# Allegro board BeagleBoard-X15_RevA2.brd (continued)
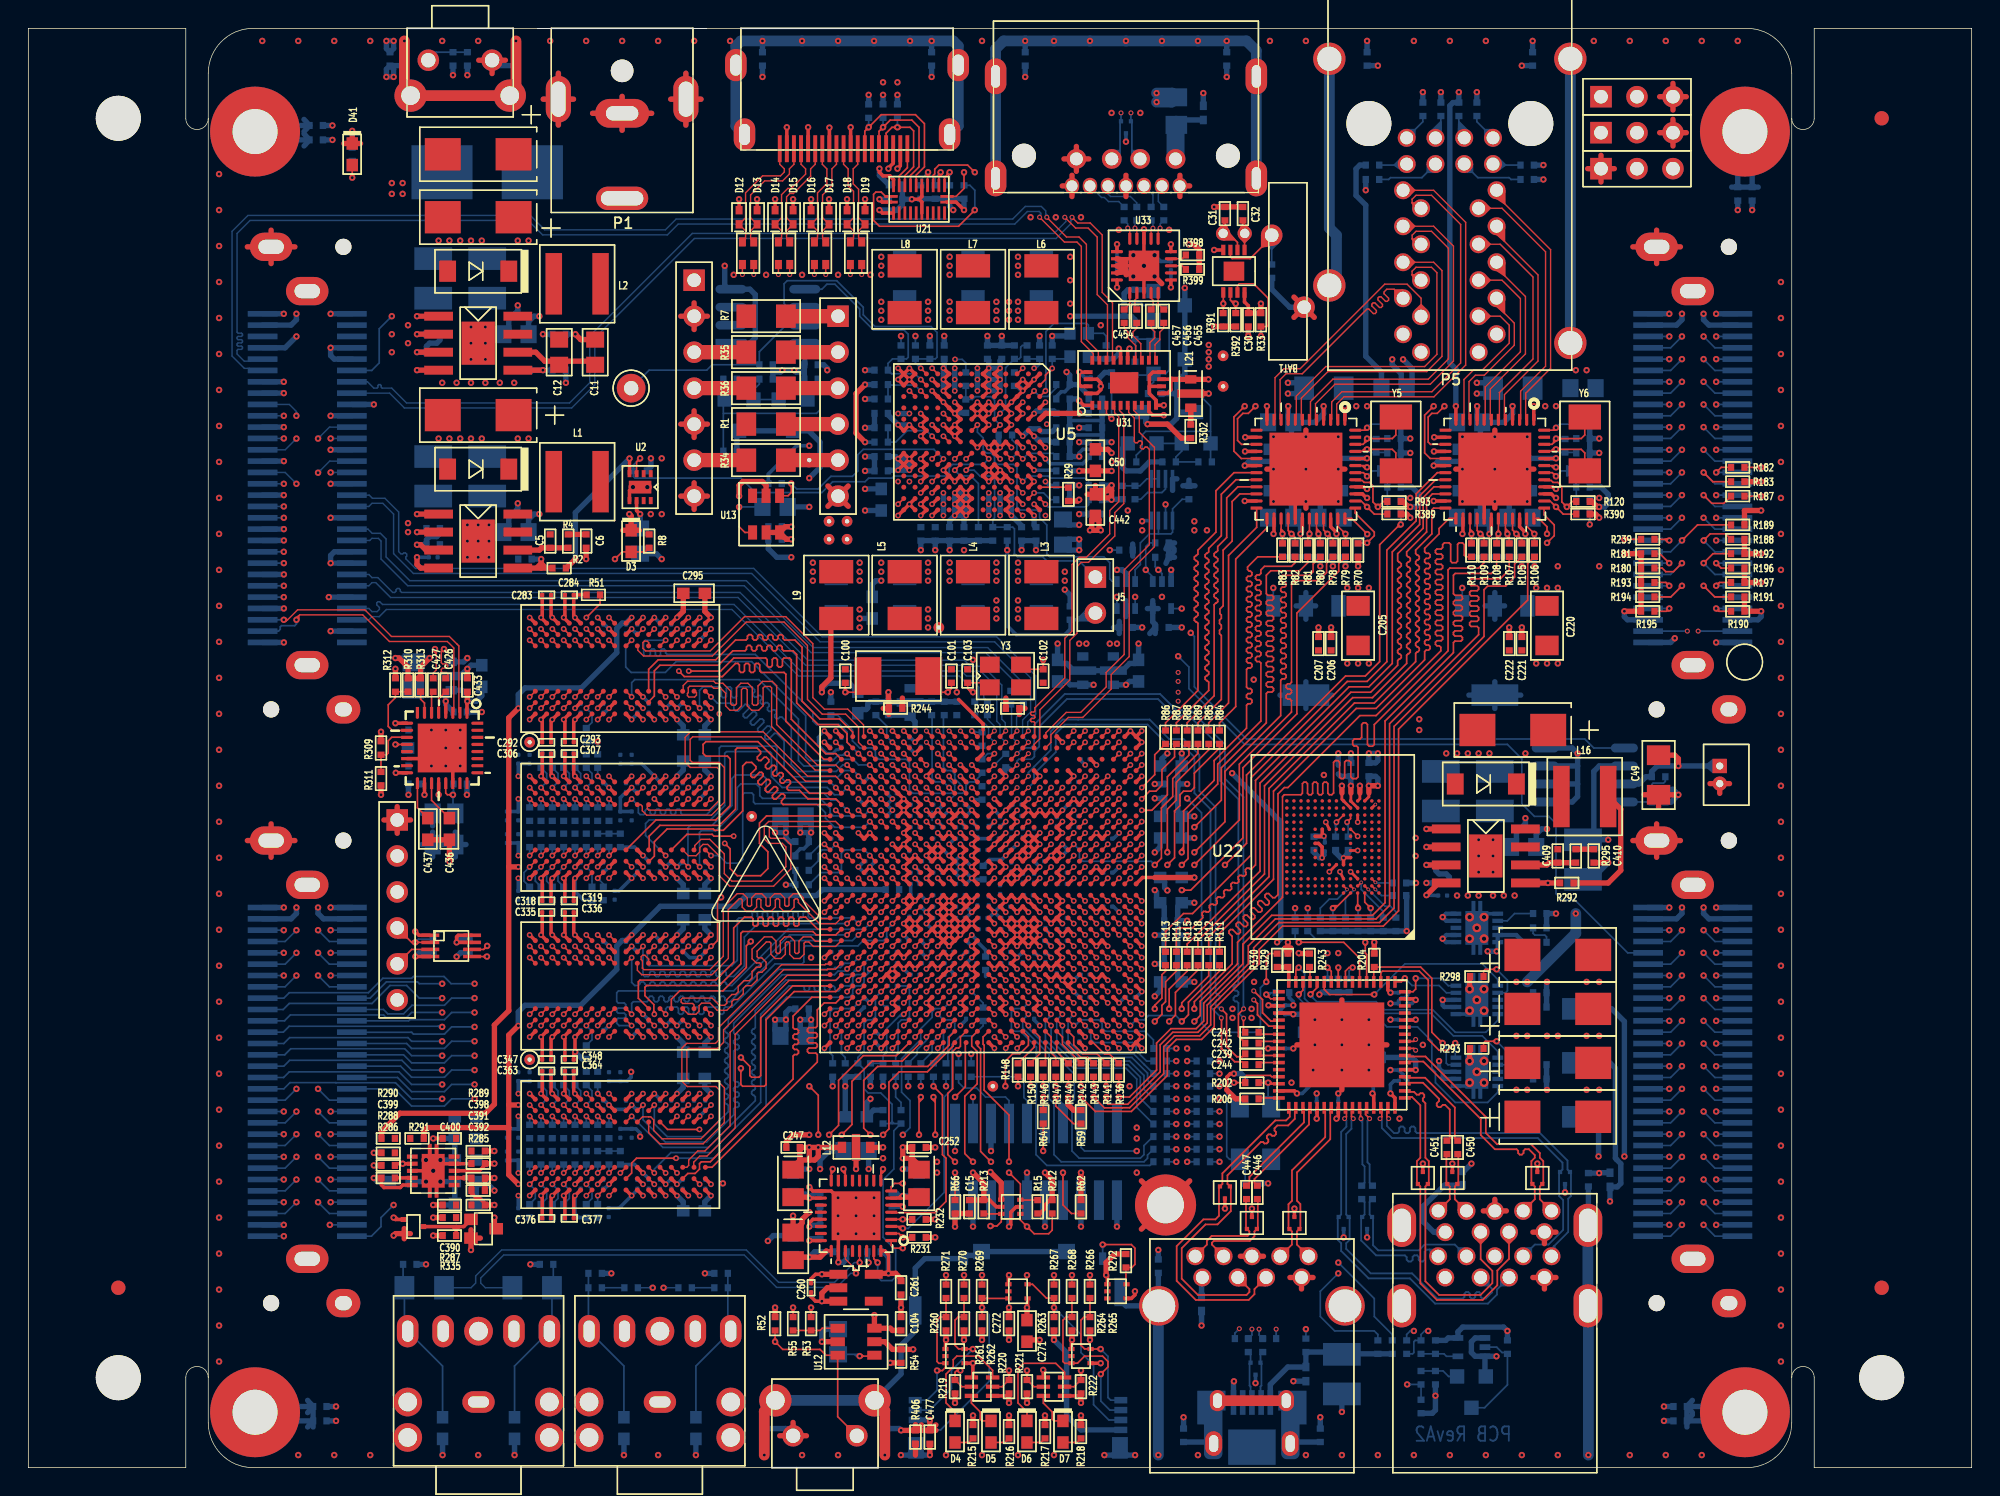
[diagram p0: board, top side]
## Routing (per net, layer and track width the routed paths; a pad name or vN(x,y) marks a point on that pad's centre or on a via; arc(x,y) is an arc through that point) (continued)
VOUT1_RDE: length 2.7
  TOP w0.12: R150.1 70.74,28.57 71.39,29.22 71.39,30.41 U11.B10
VOUT1_RHSYNC: length 17.8
  TOP w0.12: U11.C11 v1(70.59,31.21)
  BOTTOM w0.12: R152.1 79.38,23.37 78.74,22.73 78.74,22.1 78.49,21.84 74.17,21.84 73.66,22.35 73.66,25.83 73.82,25.99 73.82,27.78 70.59,31.01 v1(70.59,31.21)
VOUT1_RVSYNC: length 21.8
  TOP w0.12: U11.E11 v1(70.59,32.81)
  BOTTOM w0.12: v1(70.59,32.81) 70.19,32.41 69.62,32.41 69.39,32.17 69.39,30.99 69.57,30.81 70.03,30.81 71.15,29.68 71.15,25.99 71.12,25.96 71.12,22.1 71.88,21.34 79.15,21.34 R153.1
VOUT1_VSYNC: length 42.7
  SIG_L5 w0.094: v2(118.24,18.74) 117.78,18.29 114.68,18.29 113.67,19.3 110.11,19.3 109.09,20.32 88.52,20.32 87.88,19.68 82.93,19.68 v2(81.03,21.59)
  BOTTOM w0.12: R153.2 v2(81.03,21.59) ; P18.28 119.04,17.94 v2(118.24,18.74)
VTT: length 4.6
  TOP w0.254: C398.1 32.22,21.35 31.83,20.95 U27.3
  TOP w0.381: Q6.3 32.89,16.99 v2(32.89,17.65) ; R289.1 v2(32.89,22.35) ; C398.1 v2(32.89,21.46)
VTT_PGOOD: length 1.2
  TOP w0.254: U27.9 25.88,20.45 R286.2
VTT_TRAN: length 4.3
  TOP w0.254: Q5.3 30.19,17.02 ; 30.19,17.02 30.73,17.02 Q6.1 ; 30.19,17.02 R335.2
VUSB_3V3: length 7
  TOP w0.254: v1(69.79,46.41) U11.AA12 v1(69.79,45.61) U11.Y12 ; v1(70.99,70.41) U5.B9
  BOTTOM w0.254: v1(70.99,70.41) 72.5,70.41 C18.2 ; v1(69.79,46.41) 69.47,46.09 C236.1 69.47,45.92 v1(69.79,45.61)
  BOTTOM w0.381: C238.1 80.17,46.26 C237.1 v2(79.5,47.24)
  vias: v2(77.6,67.56)
WAKEUP1: length 6.5
  TOP w0.12: U11.AC17 v1(64.99,48.01)
  BOTTOM w0.12: v1(64.99,48.01) 64.59,48.41 64.02,48.41 63.79,48.64 63.79,53.09 R50.1
WAKEUP2: length 38.1
  TOP w0.12: v1(39.38,60.01) 40.35,60.98 R51.1 ; U11.AB16 v1(65.79,47.21)
  INT_L3 w0.094: v1(39.38,60.01) 38.99,60.4 38.99,61.21 39.5,61.72 51.69,61.72 58.61,54.8 58.99,54.8 61.36,52.43 61.36,51.89 61.68,51.58 61.94,51.58 62.21,51.32 62.21,51.05 62.46,50.8 62.72,50.8 63.76,49.76 63.76,49.39 63.97,49.18 64.36,49.18 64.61,48.93 64.61,48.65 64.83,48.43 65.11,48.43 65.41,48.13 65.41,47.59 v1(65.79,47.21)
ZQ1_HI: length 2.1
  TOP w0.12: v1(39.38,42.41) U24.L8
  BOTTOM w0.12: v1(39.38,42.41) 39.78,42.01 39.78,41.41 R275.1
ZQ1_LO: length 2.3
  TOP w0.12: v1(39.38,53.61) U23.L8
  BOTTOM w0.12: v1(39.38,53.61) 39.78,53.21 39.78,52.61 R276.1
ZQ2_HI: length 2.3
  TOP w0.12: v1(39.38,31.2) U26.L8
  BOTTOM w0.12: v1(39.38,31.2) 39.78,30.8 39.78,30.21 R278.1
ZQ2_LO: length 2.3
  TOP w0.12: v1(39.38,20) U25.L8
  BOTTOM w0.12: v1(39.38,20) 39.78,19.6 39.78,19 R277.1
N23410845: length 61.9
  TOP w0.12: U11.E23 v1(60.19,32.81)
  INT_L3 w0.094: v2(81.79,29.59) 83.16,30.96 83.16,51.34 80.52,53.98 80.52,57.53 80.9,57.91 80.9,60.13 v2(81.41,60.64)
  SIG_L8 w0.094: v1(60.19,32.81) 60.41,32.81 60.83,32.38 66.74,32.38 67.06,32.07 67.06,29.72 69.09,27.69 79.25,27.69 79.88,28.32 81.92,28.32 82.17,28.57 82.17,29.21 v2(81.79,29.59)
  BOTTOM w0.12: C98.2 60.5,32.49 v1(60.19,32.81) ; v2(81.41,60.64) U10.4
N23730763: length 12.4
  TOP w0.254: U11.N16 v1(65.79,40.01) U11.P16 v1(66.59,40.01) ; U11.N16 v1(66.59,40.01) ; U11.N16 v1(65.79,39.21) ; v1(66.59,40.01) U11.P15 ; v1(70.59,39.21) U11.N11 v1(69.79,39.21) U11.N12 ; U11.R14 v1(68.19,41.61) ; U11.P14 v1(68.19,40.01) ; U11.M14 v1(68.19,38.41) ; U11.R17 v1(64.99,41.61)
  BOTTOM w0.254: v1(69.79,39.21) 69.39,39.6 C200.1 ; v1(66.59,40.01) 66.9,40.32 C203.1 ; v1(64.99,41.61) U11.R17 C198.1 ; C199.1 67.87,40.32 v1(68.19,40.01)
  BOTTOM w0.381: v1(62.59,52.01) 62.59,52.66 L10.3 62.13,53.12 C197.1
N24165486: length 5.3
  TOP w0.254: v1(69.79,44.81) U11.W12 v1(68.99,44.01) U11.V13
  BOTTOM w0.254: v1(69.79,44.81) 69.47,44.49 C204.1 U11.W12 v1(68.99,44.01) 68.67,43.69 C201.1
  BOTTOM w0.381: L11.1 v2(77.47,55.26) 77.71,55.5 C202.1
N26024435: length 7.9
  TOP w0.254: U11.AA17 v1(65.79,46.41) U11.AA16 ; U11.AA17 v1(64.99,45.61) U11.Y17 ; U11.AA17 v1(64.99,46.41) ; U11.W14 v3(68.19,44.81)
  BOTTOM w0.254: v1(65.79,46.41) 65.47,46.09 C499.1 U11.AA17 v1(64.99,45.61) ; C498.1 64.59,46.01 v1(64.99,46.41)
  BOTTOM w0.381: v2(75.18,55.26) L24.1 73.53,55.26 73.29,55.5 C497.1
N28155188: length 11.8
  TOP w0.12: U11.K14 v1(68.19,36.81)
  INT_L3 w0.094: TP6.1 68.07,28.19 69.13,29.25 69.36,29.49 69.36,36.17 69.09,36.45 68.54,36.45 v1(68.19,36.81)
N28613451: length 5.6
  TOP w0.12: U5.E6 v1(68.59,73.61)
  BOTTOM w0.12: R318.2 R319.2 66.63,75.4 66.83,75.6 67.95,75.6 68.2,75.35 68.2,74 v1(68.59,73.61)
N28614009: length 6.5
  TOP w0.12: U5.E5 v1(68.59,74.41)
  BOTTOM w0.12: R322.2 70.16,79.21 70.04,79.1 70.04,78.38 69.92,78.27 R323.2 68.98,77.65 68.98,74.8 v1(68.59,74.41)
N28826254: length 1.2
  TOP w0.12: U33.9 81.43,85.34 R398.2
N28826261: length 1.2
  TOP w0.12: U33.8 81.44,84.84 R399.2
N29245750: length 1.7
  TOP w0.12: U11.AE14 v1(68.19,49.61)
  BOTTOM w0.12: v1(68.19,49.61) 68.97,50.39 R422.1
N29286052: length 9.5
  BOTTOM w0.12: R405.2 81.44,68.36 80.76,67.68 U34.1 80.76,66.03 80.64,65.91 79.76,65.91 ; U9.3 78.12,63.39 78.49,63.75 78.49,65.28 79.12,65.91 79.76,65.91 ; U34.3 79.76,65.91 79.76,65.91
N29286254: length 3.2
  BOTTOM w0.12: U34.7 80.26,69.08 80.01,68.83 78.99,68.83 78.52,68.36 C476.1
N29286257: length 2.7
  BOTTOM w0.12: R404.1 C476.2 78.45,69.31 78.94,69.8 U34.5 U34.6
N29321384: length 11.5
  SIG_L8 w0.094: v2(97.32,5.88) 94.07,5.88 v2(90.17,9.78)
  BOTTOM w0.12: R31.2 v2(90.17,9.78) ; v2(97.32,5.88) R409.1 C495.1
N29512994: length 33.1
  TOP w0.12: R239.2 v2(112.65,65.53)
  INT_L3 w0.094: J3.2 112.27,95.5 112.27,65.91 v2(112.65,65.53)
N29513031: length 28.4
  TOP w0.12: R182.2 v2(122.3,70.61)
  INT_L3 w0.094: J4.2 114.81,92.96 114.81,89.41 121.79,82.42 121.79,71.12 v2(122.3,70.61)
N29513057: length 27.9
  TOP w0.12: R187.2 v2(122.3,68.58)
  INT_L3 w0.094: v2(122.3,68.58) 121.41,69.47 121.41,82.3 113.54,90.17 J6.2
N29735394: length 1.8
  TOP w0.12: U17.41 92.46,34.3 v2(92.46,35.31)
  BOTTOM w0.12: R328.1 v2(92.46,35.31)
N29868563: length 2.7
  BOTTOM w0.12: R409.2 R410.1 99.86,6.82 100.24,6.44 Q7.1
N29882506: length 7.2
  BOTTOM w0.12: Q7.3 102.78,4.23 104.39,5.84 R408.2 104.3,8.13 104.01,8.13 103.63,8.51 U42.2
N29907779: length 2.7
  BOTTOM w0.12: U42.4 100.09,7.86 99.92,8.03 R415.2 R413.1
N29975844: length 1.3
  TOP w0.12: U5.C1 v1(70.19,77.61)
  BOTTOM w0.12: v1(70.19,77.61) 69.89,77.31 C496.1
N30273551: length 14.3
  BOTTOM w0.12: R420.1 49.06,74.42 ; 49.06,74.42 55.63,74.42 55.88,74.68 55.88,76.67 R419.2 ; 49.06,74.42 49.06,75.31 U35.1 49.06,75.49 R429.2
N30284852: length 5
  BOTTOM w0.12: R429.1 R418.2 51.6,76.49 51.18,76.07 U35.2 Q8.1
N30391816: length 4.8
  BOTTOM w0.12: R430.1 R423.2 80.99,71.34 81.41,71.75 U43.2 Q9.1
N30391875: length 12.8
  BOTTOM w0.12: 83.44,73.15 U43.1 83.44,71.09 R430.2 ; 83.44,73.15 78.87,73.15 78.61,72.9 78.61,71.88 78.2,71.47 R424.2 ; 83.44,73.15 83.44,74.93 82.55,75.82 R425.1
N30392108: length 4.9
  BOTTOM w0.12: Q10.1 U44.2 79,79.66 R427.2 78.14,79.63 78.14,78.11 R431.1
N30392176: length 11
  BOTTOM w0.12: R426.2 78.58,82.2 78.74,82.04 80.26,82.04 80.52,81.79 80.52,77.47 80.26,77.22 U44.1 ; U44.1 79.32,77.12 R431.2 ; U44.1 79.41,76.62 79.03,76.23 R428.1

## Copper pours and planes (outline as drawn; the poured copper is in the pictures)
3V3_CDC on BOTTOM: 27.94,53.59 27.05,52.7 27.05,49.28 27.18,49.15 27.94,49.15 28.19,48.9 28.19,47.88 28.32,47.75 29.08,47.75 29.21,47.62 29.21,47.37 29.08,47.24 27.69,47.24 27.56,47.37 27.56,48.51 27.43,48.64 25.4,48.64 25.15,48.9 25.15,55.12 25.4,55.37 27.69,55.37 27.94,55.12
5V0 on TOP: 72.01,70.87 71.37,70.87 71.25,70.74 71.25,69.98 71.75,69.47 73.41,69.47 73.66,69.72 73.66,72.52 74.42,73.28 74.42,73.53 74.3,73.66 71.63,73.66 71.25,73.28 71.25,73.03 72.14,72.14 72.14,70.99
5V0 on SIG_L5: 59.69,73.41 62.74,73.41 63.12,73.79 63.12,74.93 63.37,75.18 70.48,75.18 70.87,75.56 70.87,82.42 70.48,82.8 61.59,82.8 61.34,83.06 61.34,86.23 60.96,86.61 59.94,86.61 59.69,86.87 59.69,99.82 59.94,100.08 64.39,100.08 64.64,99.82 64.64,98.17 65.15,97.66 66.93,97.66 67.31,97.28 67.31,87.88 67.56,87.63 74.68,87.63 74.93,87.38 74.93,69.6 74.68,69.34 71.5,69.34 71.25,69.6 63.25,69.6 62.99,69.85 62.99,70.1 62.74,70.36 56.13,70.36 55.88,70.61 55.88,74.42 56.13,74.68 58.42,74.68
5V0 on PWR_L6: 21.08,1.52 20.7,1.91 20.7,4.57 17.53,7.75 14.48,7.75 14.1,8.13 14.1,89.53 14.48,89.92 17.14,89.92 19.81,92.58 19.81,99.69 20.19,100.08 48.64,100.08 48.89,99.82 48.89,98.17 49.4,97.66 50.42,97.66 50.93,98.17 50.93,99.82 51.18,100.08 61.72,100.08 61.98,99.82 61.98,91.57 61.72,91.31 24.89,91.31 19.05,85.47 19.05,84.33 19.04,84.32 17.9,83.05 19.05,81.79 22.61,81.79 22.86,81.53 22.86,49.53 22.86,45.34 22.86,42.67 22.61,42.42 19.18,42.42 19.11,42.42 19.05,42.42 17.91,41.09 19.18,39.88 27.43,39.88 27.69,39.62 27.69,16.13 28.07,15.75 53.09,15.75 53.34,15.49 53.34,12.83 53.72,12.45 60.2,12.45 60.45,12.19 60.45,7.75 60.83,7.37 107.95,7.37 113.03,12.45 113.03,39.62 113.28,39.88 117.98,39.88 118.84,40.21 119.25,41.02 118.88,42.05 117.86,42.41 117.86,42.42 114.3,42.42 114.05,42.67 114.05,56.39 115.82,58.17 122.81,58.17 123.06,57.91 123.06,8.13 122.68,7.75 119.63,7.75 116.46,4.57 116.46,1.91 116.08,1.52 90.17,1.52 89.92,1.78 89.92,2.41 89.53,2.79 88.65,2.79 88.27,2.41 88.27,1.78 88.01,1.52 84.71,1.52 84.45,1.78 84.45,2.41 84.07,2.79 83.19,2.79 82.8,2.41 82.8,1.78 82.55,1.52
5V0_TAP on TOP: 38.61,71.88 38.1,72.39 33.78,72.39 33.02,73.15 33.02,75.18 33.27,75.44 45.72,75.44 46.23,74.93 51.05,74.93 51.31,74.68 51.31,72.64 51.05,72.39 41.91,72.39 41.66,72.14 41.66,67.69 41.4,67.44 38.86,67.44 38.61,67.69
12V on TOP: 29.08,80.39 29.21,80.26 29.21,79.76 29.08,79.63 27.69,79.63 27.18,79.12 26.67,79.12 26.54,79.25 26.54,80.77 26.67,80.9 27.18,80.9 27.69,80.39
12V on TOP: 29.08,66.42 29.21,66.29 29.21,65.79 29.08,65.66 26.67,65.66 26.54,65.79 26.54,66.8 26.67,66.93 27.18,66.93 27.69,66.42
12V on TOP: 100.2,44.2 100.33,44.07 100.33,43.56 100.2,43.43 98.81,43.43 98.3,42.93 97.79,42.93 97.66,43.05 97.66,44.58 97.79,44.7 98.3,44.7 98.81,44.2
12V on BOTTOM: 32.39,69.34 32.64,69.09 32.64,67.31 32.39,67.06 30.86,67.06 30.35,66.55 28.45,66.55 28.32,66.42 28.32,65.91 28.19,65.79 27.81,65.79 27.69,65.66 26.67,65.66 26.54,65.79 26.54,69.09 26.8,69.34
12V on BOTTOM: 103.5,47.12 103.76,46.86 103.76,45.09 103.5,44.83 101.98,44.83 101.73,44.58 101.73,43.31 101.47,43.05 98.43,43.05 97.66,43.18 97.66,46.86 97.92,47.12
12V on BOTTOM: 32.39,83.31 32.64,83.06 32.64,81.28 32.39,81.03 30.86,81.03 30.35,80.52 28.45,80.52 28.32,80.39 28.32,79.88 28.19,79.76 27.81,79.76 27.18,79.12 26.67,79.12 26.54,79.25 26.54,83.06 26.8,83.31
12V on BOTTOM: 29.08,93.34 29.34,93.09 29.34,89.79 29.08,89.53 25.53,89.53 25.27,89.79 25.27,92.84 25.15,92.96 22.73,92.96 22.73,93.34
12V on PWR_L6: 113.79,56.52 115.7,58.42 122.81,58.42 123.06,58.67 123.06,89.53 122.68,89.92 120.02,89.92 117.35,92.58 117.35,99.69 116.97,100.08 110.49,100.08 110.24,99.82 110.24,98.81 109.47,98.04 108.2,98.04 107.44,98.81 107.44,99.82 107.19,100.08 93.47,100.08 93.22,99.82 93.22,98.81 92.46,98.04 91.19,98.04 90.42,98.81 90.42,99.82 90.17,100.08 87.88,100.08 87.63,99.82 87.63,97.16 87.25,96.77 86.11,96.77 85.72,97.16 85.72,99.82 85.47,100.08 69.47,100.08 69.22,99.82 69.22,97.28 68.71,96.77 67.82,96.77 66.93,97.66 65.15,97.66 64.64,98.17 64.64,99.82 64.39,100.08 62.48,100.08 62.23,99.82 62.23,91.44 61.85,91.06 25.02,91.06 19.3,85.34 19.3,82.3 19.56,82.04 22.73,82.04 23.11,81.66 23.11,42.55 22.73,42.16 19.3,42.16 19.05,41.91 19.05,40.39 19.3,40.13 27.43,40.13 27.69,40.39 27.69,76.83 28.07,77.22 44.45,77.22 44.7,77.47 44.7,82.17 45.09,82.55 48.26,82.55 48.51,82.8 48.51,84.96 48.89,85.34 111.38,85.34 111.76,84.96 111.76,60.2 111.38,59.82 97.92,59.82 97.66,59.56 97.66,42.93 97.92,42.67 110.87,42.67 111.25,42.29 111.25,40.39 111.51,40.13 117.73,40.13 117.98,40.39 117.98,41.91 117.73,42.16 114.17,42.16 113.79,42.55
12V_MAIN on BOTTOM: 44.2,92.08 44.45,91.82 44.45,88.77 44.2,88.52 38.73,88.52 37.72,89.53 35.69,89.53 35.43,89.79 35.43,93.09 35.69,93.34 38.1,93.34 39.37,92.08
GND on TOP: 94.61,56.64 94.74,56.77 94.74,58.29 94.61,58.42 93.09,58.42 92.58,57.91 90.93,57.91 90.81,57.78 90.81,56.77 90.93,56.64
GND on TOP: 109.47,24.13 109.47,36.96 111.38,36.96 111.38,24.13
GND on TOP: 30.48,63.12 30.48,67.82 30.23,68.07 28.32,68.07 28.07,68.33 28.07,75.18 28.32,75.44 31.5,75.44 31.75,75.18 31.75,73.41 32.51,72.64 32.51,69.6 33.02,69.09 33.02,66.67 33.27,66.42 36.96,66.42 37.08,66.29 37.08,65.79 36.96,65.66 33.27,65.66 33.02,65.41 33.02,63.12 33.27,62.87 34.54,62.87 34.67,62.74 34.67,62.1 34.54,61.98 28.96,61.98 28.83,62.1 28.83,62.74 28.96,62.87 30.23,62.87
GND on TOP: 101.6,40.89 101.6,45.59 101.35,45.85 99.44,45.85 99.19,46.1 99.19,51.18 101.22,53.21 103.38,53.21 103.63,52.96 103.63,47.37 104.14,46.86 104.14,44.45 104.39,44.2 108.08,44.2 108.2,44.07 108.2,43.56 108.08,43.43 104.39,43.43 104.14,43.18 104.14,40.89 104.39,40.64 105.66,40.64 105.79,40.51 105.79,39.88 105.66,39.75 100.08,39.75 99.95,39.88 99.95,40.51 100.08,40.64 101.35,40.64
GND on TOP: 30.48,77.09 30.48,81.79 30.23,82.04 28.32,82.04 28.07,82.3 28.07,93.47 28.32,93.73 31.5,93.73 31.75,93.47 31.75,87.38 32.51,86.61 32.51,83.57 33.02,83.06 33.02,80.64 33.27,80.39 38.1,80.39 38.23,80.26 38.23,79.12 38.1,78.99 36.45,78.99 35.81,79.63 33.27,79.63 33.02,79.38 33.02,77.09 33.27,76.83 34.54,76.83 34.67,76.71 34.67,76.07 34.54,75.95 28.96,75.95 28.83,76.07 28.83,76.71 28.96,76.83 30.23,76.83
GND on TOP: 94.74,69.22 94.74,75.31 98.3,75.31 98.3,69.22
GND on TOP: 108.08,69.22 108.08,75.31 111.63,75.31 111.63,69.22
GND on TOP: 107.95,56.64 108.08,56.77 108.08,58.29 107.95,58.42 106.43,58.42 105.92,57.91 104.39,57.91 104.27,57.78 104.27,56.77 104.39,56.64
GND on BOTTOM: 83.57,79.5 83.57,89.15 83.82,89.41 86.36,89.41 86.61,89.15 86.61,79.5 86.36,79.25 83.82,79.25
GND on BOTTOM: 67.06,62.74 66.8,62.48 65.02,62.48 64.77,62.74 64.77,63.75 65.02,64.01 66.8,64.01 67.06,63.75
GND on BOTTOM: 71.12,63.5 71.37,63.75 73.15,63.75 73.41,63.5 73.41,61.98 73.15,61.72 72.9,61.72 72.39,62.23 71.37,62.23 71.12,62.48
GND on BOTTOM: 62.23,62.74 61.98,62.48 60.2,62.48 59.94,62.74 59.94,63.75 60.2,64.01 61.98,64.01 62.23,63.75
GND on BOTTOM: 103.5,44.58 103.76,44.32 103.76,41.78 104.01,41.53 105.66,41.53 105.79,41.4 105.79,39.88 105.66,39.75 100.2,39.75 100.08,39.88 100.08,40.64 100.2,40.77 100.58,40.77 100.71,40.89 100.71,42.16 100.58,42.29 100.2,42.29 100.08,42.42 100.08,42.67 100.2,42.8 101.73,42.8 101.98,43.05 101.98,44.32 102.23,44.58
GND on BOTTOM: 46.04,58.99 46.04,58.04 46.29,57.78 47.05,57.78 47.5,58.23 47.5,58.36 47.31,58.55 47.24,58.55 46.74,58.1 46.48,58.1 46.36,58.23 46.36,58.93 46.29,58.99
GND on BOTTOM: 46.04,25.39 46.04,24.43 46.29,24.18 47.05,24.18 47.5,24.63 47.5,24.75 47.31,24.94 47.24,24.94 46.74,24.5 46.48,24.5 46.36,24.63 46.36,25.32 46.29,25.39
GND on BOTTOM: 66.55,80.77 66.29,81.03 66.29,82.93 66.55,83.19 72.01,83.19 72.26,82.93 72.26,82.04 72.01,81.79 70.36,81.79 70.1,82.04 68.96,82.04 68.71,81.79 68.71,81.03 68.45,80.77
GND on BOTTOM: 39.37,93.73 38.86,94.23 36.32,94.23 35.81,94.74 35.81,98.3 36.32,98.81 40.64,98.81 41.91,97.26 43.18,98.81 47.5,98.81 48.01,98.3 48.01,94.74 47.5,94.23 44.96,94.23 44.45,93.73
GND on BOTTOM: 57.4,62.74 57.15,62.48 55.37,62.48 55.12,62.74 55.12,63.75 55.37,64.01 57.15,64.01 57.4,63.75
GND on BOTTOM: 103.76,50.55 103.76,49.15 103.5,48.9 99.7,48.9 99.44,49.15 99.44,50.55 99.7,50.8 103.5,50.8
GND on BOTTOM: 63.75,81.03 63.5,80.77 61.72,80.77 61.47,81.03 61.47,82.3 61.72,82.55 63.5,82.55 63.75,82.3
GND on BOTTOM: 55.44,28.77 79.18,28.77 79.18,52.51 55.44,52.51 ; 6 cut-outs
GND on BOTTOM: 28.58,87.12 32.39,87.12 32.64,86.87 32.64,85.34 32.39,85.09 28.58,85.09 28.32,85.34 28.32,86.87
GND on BOTTOM: 28.58,73.15 32.39,73.15 32.64,72.9 32.64,71.37 32.39,71.12 28.58,71.12 28.32,71.37 28.32,72.9
GND on BOTTOM: 46.04,47.79 46.04,46.84 46.29,46.58 47.05,46.58 47.5,47.03 47.5,47.16 47.31,47.35 47.24,47.35 46.74,46.9 46.48,46.9 46.36,47.03 46.36,47.73 46.29,47.79
GND on BOTTOM: 32.39,80.77 32.64,80.52 32.64,77.98 32.89,77.72 34.54,77.72 34.67,77.6 34.67,76.07 34.54,75.95 28.96,75.95 28.83,76.07 28.83,78.87 28.96,78.99 30.61,78.99 30.86,79.25 30.86,80.52 31.12,80.77
GND on BOTTOM: 32.39,66.8 32.64,66.55 32.64,64.64 32.89,64.39 34.54,64.39 34.67,64.26 34.67,64.01 34.54,63.88 32.77,63.88 28.96,63.88 28.83,64.01 28.83,65.28 28.96,65.41 30.61,65.41 30.86,65.66 30.86,66.55 31.12,66.8
GND on BOTTOM: 27.18,46.61 27.43,46.86 30.73,46.86 30.73,48.26 30.86,48.39 31.24,48.39 31.5,48.13 31.5,42.8 31.24,42.55 27.43,42.55 27.18,42.8
GND on GND_L2: 21.08,1.52 20.7,1.91 20.7,4.57 17.53,7.75 14.48,7.75 14.1,8.13 14.1,89.53 14.48,89.92 17.14,89.92 19.81,92.58 19.81,99.69 20.19,100.08 48.64,100.08 48.89,99.82 48.89,98.17 49.4,97.66 50.42,97.66 50.93,98.17 50.93,99.82 51.18,100.08 64.39,100.08 64.64,99.82 64.64,98.17 65.15,97.66 66.93,97.66 67.82,96.77 68.71,96.77 69.22,97.28 69.22,99.82 69.47,100.08 85.47,100.08 85.72,99.82 85.72,97.16 86.11,96.77 87.25,96.77 87.63,97.16 87.63,99.82 87.88,100.08 90.17,100.08 90.42,99.82 90.42,98.81 91.19,98.04 92.46,98.04 93.22,98.81 93.22,99.82 93.47,100.08 107.19,100.08 107.44,99.82 107.44,98.81 108.2,98.04 109.47,98.04 110.24,98.81 110.24,99.82 110.49,100.08 116.97,100.08 117.35,99.69 117.35,92.58 120.02,89.92 122.68,89.92 123.06,89.53 123.06,8.13 122.68,7.75 119.63,7.75 116.46,4.57 116.46,1.91 116.08,1.52 90.17,1.52 89.92,1.78 89.92,2.41 89.53,2.79 88.65,2.79 88.27,2.41 88.27,1.78 88.01,1.52 84.71,1.52 84.45,1.78 84.45,2.41 84.07,2.79 83.19,2.79 82.8,2.41 82.8,1.78 82.55,1.52 ; 86 cut-outs
GND on GND_L4: 21.08,1.52 20.7,1.91 20.7,4.57 17.53,7.75 14.48,7.75 14.1,8.13 14.1,89.53 14.48,89.92 17.14,89.92 19.81,92.58 19.81,99.69 20.19,100.08 48.64,100.08 48.89,99.82 48.89,98.17 49.4,97.66 50.42,97.66 50.93,98.17 50.93,99.82 51.18,100.08 64.39,100.08 64.64,99.82 64.64,98.17 65.15,97.66 66.93,97.66 67.82,96.77 68.71,96.77 69.22,97.28 69.22,99.82 69.47,100.08 85.47,100.08 85.72,99.82 85.72,97.16 86.11,96.77 87.25,96.77 87.63,97.16 87.63,99.82 87.88,100.08 90.17,100.08 90.42,99.82 90.42,98.81 91.19,98.04 92.46,98.04 93.22,98.81 93.22,99.82 93.47,100.08 107.19,100.08 107.44,99.82 107.44,98.81 108.2,98.04 109.47,98.04 110.24,98.81 110.24,99.82 110.49,100.08 116.97,100.08 117.35,99.69 117.35,92.58 120.02,89.92 122.68,89.92 123.06,89.53 123.06,8.13 122.68,7.75 119.63,7.75 116.46,4.57 116.46,1.91 116.08,1.52 90.17,1.52 89.92,1.78 89.92,2.41 89.53,2.79 88.65,2.79 88.27,2.41 88.27,1.78 88.01,1.52 84.71,1.52 84.45,1.78 84.45,2.41 84.07,2.79 83.19,2.79 82.8,2.41 82.8,1.78 82.55,1.52
GND on PWR_L6: 86.49,7.87 86.74,7.62 107.82,7.62 112.78,12.57 112.78,39.62 112.52,39.88 111.38,39.88 111,40.26 111,42.16 110.74,42.42 104.65,42.42 104.39,42.16 104.39,34.16 104.01,33.78 99.31,33.78 99.06,33.53 99.06,24.13 98.68,23.75 86.74,23.75 86.49,23.5
GND on GND_L9: 82.55,1.52 82.8,1.78 82.8,2.41 83.19,2.79 84.07,2.79 84.45,2.41 84.45,1.78 84.71,1.52 88.01,1.52 88.27,1.78 88.27,2.41 88.65,2.79 89.53,2.79 89.92,2.41 89.92,1.78 90.17,1.52 116.08,1.52 116.46,1.91 116.46,4.57 119.63,7.75 122.68,7.75 123.06,8.13 123.06,89.53 122.68,89.92 120.02,89.92 117.35,92.58 117.35,99.69 116.97,100.08 110.49,100.08 110.24,99.82 110.24,98.81 109.47,98.04 108.2,98.04 107.44,98.81 107.44,99.82 107.19,100.08 93.47,100.08 93.22,99.82 93.22,98.81 92.46,98.04 91.19,98.04 90.42,98.81 90.42,99.82 90.17,100.08 87.88,100.08 87.63,99.82 87.63,97.16 87.25,96.77 86.11,96.77 85.72,97.16 85.72,99.82 85.47,100.08 69.47,100.08 69.22,99.82 69.22,97.28 68.71,96.77 67.82,96.77 66.93,97.66 65.15,97.66 64.64,98.17 64.64,99.82 64.39,100.08 51.18,100.08 50.93,99.82 50.93,98.17 50.42,97.66 49.4,97.66 48.89,98.17 48.89,99.82 48.64,100.08 20.19,100.08 19.81,99.69 19.81,92.58 17.14,89.92 14.48,89.92 14.1,89.53 14.1,8.13 14.48,7.75 17.53,7.75 20.7,4.57 20.7,1.91 21.08,1.52 ; 11 cut-outs
GND on GND_L11: 21.08,1.52 20.7,1.91 20.7,4.57 17.53,7.75 14.48,7.75 14.1,8.13 14.1,89.53 14.48,89.92 17.14,89.92 19.81,92.58 19.81,99.69 20.19,100.08 48.64,100.08 48.89,99.82 48.89,98.17 49.4,97.66 50.42,97.66 50.93,98.17 50.93,99.82 51.18,100.08 64.39,100.08 64.64,99.82 64.64,98.17 65.15,97.66 66.93,97.66 67.82,96.77 68.71,96.77 69.22,97.28 69.22,99.82 69.47,100.08 85.47,100.08 85.72,99.82 85.72,97.16 86.11,96.77 87.25,96.77 87.63,97.16 87.63,99.82 87.88,100.08 90.17,100.08 90.42,99.82 90.42,98.81 91.19,98.04 92.46,98.04 93.22,98.81 93.22,99.82 93.47,100.08 107.19,100.08 107.44,99.82 107.44,98.81 108.2,98.04 109.47,98.04 110.24,98.81 110.24,99.82 110.49,100.08 116.97,100.08 117.35,99.69 117.35,92.58 120.02,89.92 122.68,89.92 123.06,89.53 123.06,8.13 122.68,7.75 119.63,7.75 116.46,4.57 116.46,1.91 116.08,1.52 90.17,1.52 89.92,1.78 89.92,2.41 89.53,2.79 88.65,2.79 88.27,2.41 88.27,1.78 88.01,1.52 84.71,1.52 84.45,1.78 84.45,2.41 84.07,2.79 83.19,2.79 82.8,2.41 82.8,1.78 82.55,1.52 ; 38 cut-outs
GND_EARTH on BOTTOM (solid shape): 88.03,0.2 84.69,0.2 84.69,2.7 88.03,2.7
GND_EARTH on BOTTOM (solid shape): 84.5,4.03 84.28,4.03 84.28,1 84.16,0.72 83.88,0.6 83.38,0.6 83.09,0.72 82.97,1 82.97,3.05 82.5,3.05 82.5,5.43 84.5,5.43
GND_EARTH on BOTTOM (solid shape): 90.22,3.05 89.72,3.05 89.72,1 89.61,0.72 89.33,0.6 88.82,0.6 88.54,0.72 88.42,1 88.42,4.03 88.22,4.03 88.22,5.43 90.22,5.43
GND_EARTH on TOP, BOTTOM, GND_L2, INT_L3, GND_L4, SIG_L5, PWR_L6, PWR_L7, SIG_L8, GND_L9, SIG_L10, GND_L11: 15.88,0.38 13.9,1.2 13.08,3.17 13.08,98.42 13.9,100.4 15.88,101.22 20.83,101.22 20.96,101.22 121.41,101.22 123.31,100.36 124.08,98.42 124.08,90.17 120.14,90.17 117.6,92.71 117.6,99.82 117.09,100.33 110.24,100.33 109.98,100.08 109.98,99.31 109.73,99.06 107.95,99.06 107.7,99.31 107.7,100.08 107.44,100.33 93.22,100.33 92.96,100.08 92.96,99.31 92.71,99.06 90.93,99.06 90.68,99.31 90.68,100.08 90.42,100.33 87.63,100.33 87.38,100.08 87.38,98.04 87.12,97.79 86.23,97.79 85.98,98.04 85.98,100.08 85.72,100.33 69.22,100.33 68.96,100.08 68.96,98.3 68.71,98.04 65.15,98.04 64.9,98.3 64.9,100.08 64.64,100.33 50.93,100.33 50.67,100.08 50.67,99.06 50.42,98.81 49.4,98.81 49.15,99.06 49.15,100.08 48.89,100.33 20.07,100.33 19.56,99.82 19.56,92.71 17.02,90.17 14.35,90.17 13.84,89.66 13.84,8 14.35,7.49 17.4,7.49 20.45,4.45 20.45,1.78 20.96,1.27 82.8,1.27 83.06,1.52 83.06,2.03 83.31,2.29 83.95,2.29 84.2,2.03 84.2,1.52 84.45,1.27 88.27,1.27 88.52,1.52 88.52,2.03 88.77,2.29 89.41,2.29 89.66,2.03 89.66,1.52 89.92,1.27 116.2,1.27 116.71,1.78 116.71,4.45 119.76,7.49 122.81,7.49 123.32,8 123.32,85.09 124.08,85.09 124.08,3.05 123.22,1.15 121.28,0.38
GND_SIGNAL on SIG_L8: 24.89,1.52 24.64,1.78 24.64,14.73 24.89,14.99 45.97,14.99 51.69,20.7 51.69,23.62 51.94,23.88 62.48,23.88 62.87,23.5 62.87,12.45 62.61,12.19 52.32,12.19 51.44,11.3 51.44,1.78 51.18,1.52
VDD_1.1 on PWR_L6: 86.49,36.96 86.74,37.21 97.28,37.21 97.66,37.59 97.66,42.16 97.92,42.42 103.89,42.42 104.14,42.16 104.14,34.29 103.89,34.04 99.19,34.04 98.81,33.66 98.81,24.26 98.55,24 86.74,24 86.49,24.26
VDD_1V8 on TOP: 56.64,59.44 56.64,60.45 56.9,60.71 58.67,60.71 58.93,60.45 58.93,59.44 58.67,59.18 56.9,59.18
VDD_1V8 on BOTTOM: 58.93,59.44 58.67,59.18 56.9,59.18 56.64,59.44 56.64,60.45 56.9,60.71 58.67,60.71 58.93,60.45
VDD_1V8 on PWR_L7: 72.64,42.16 72.77,42.04 74.8,42.04 74.93,42.16 74.93,46.61 74.8,46.74 73.53,46.74 73.41,46.61 73.41,44.2 73.15,43.94 72.9,43.94 72.64,43.69
VDD_1V8 on PWR_L7: 57.28,54.74 57.28,66.29 54.74,68.83 54.74,70.1 54.99,70.36 66.29,70.36 66.55,70.1 66.55,48.64 65.91,48.01 65.91,44.7 65.66,44.45 63.37,44.45 63.12,44.7 63.12,58.04 64.01,58.93 64.01,60.83 63.63,61.21 59.94,61.21 59.56,60.83 59.56,54.74 59.31,54.48 57.53,54.48
VDD_1V8 on SIG_L8: 63.25,69.09 63.25,68.33 62.99,68.07 62.61,68.07 61.59,69.09 61.59,72.14 61.85,72.39 69.98,72.39 69.98,72.39 73.66,72.39 75.44,74.17 78.99,74.17 79.25,73.91 79.25,69.98 78.99,69.72 63.88,69.72
VDD_1V8 on SIG_L10: 60.45,34.42 60.45,46.35 60.71,46.61 64.26,46.61 64.39,46.48 64.39,45.34 64.64,45.09 65.15,45.09 66.04,44.2 68.2,44.2 68.45,43.94 68.45,43.31 68.83,42.93 73.28,42.93 73.53,42.67 73.53,34.42 73.28,34.16 60.71,34.16
VDD_3V3 on TOP: 43.31,68.2 43.31,67.69 43.56,67.44 43.56,65.79 43.69,65.66 44.83,65.66 44.96,65.79 44.96,68.07 44.7,68.33 43.43,68.33
VDD_3V3 on BOTTOM: 110.11,75.95 110.36,75.69 110.87,75.69 111.12,75.95 111.12,77.6 110.87,77.85 109.22,77.85 108.97,77.6 108.97,77.34 109.09,77.22 109.6,77.22 110.11,76.71
VDD_3V3 on PWR_L7: 82.55,1.52 82.8,1.78 82.8,2.41 83.19,2.79 84.07,2.79 84.45,2.41 84.45,1.78 84.71,1.52 88.01,1.52 88.27,1.78 88.27,2.41 88.65,2.79 89.53,2.79 89.92,2.41 89.92,1.78 90.17,1.52 116.08,1.52 116.46,1.91 116.46,4.57 119.63,7.75 122.68,7.75 123.06,8.13 123.06,89.53 122.68,89.92 120.02,89.92 117.35,92.58 117.35,99.69 116.97,100.08 110.49,100.08 110.24,99.82 110.24,98.81 109.47,98.04 108.2,98.04 107.44,98.81 107.44,99.82 107.19,100.08 93.47,100.08 93.22,99.82 93.22,98.81 92.46,98.04 91.19,98.04 90.42,98.81 90.42,99.82 90.17,100.08 87.88,100.08 87.63,99.82 87.63,97.16 87.25,96.77 86.11,96.77 85.72,97.16 85.72,99.82 85.47,100.08 69.47,100.08 69.22,99.82 69.22,97.28 68.71,96.77 67.82,96.77 66.93,97.66 65.15,97.66 64.64,98.17 64.64,99.82 64.39,100.08 51.18,100.08 50.93,99.82 50.93,98.17 50.42,97.66 49.4,97.66 48.89,98.17 48.89,99.82 48.64,100.08 20.19,100.08 19.81,99.69 19.81,92.58 17.14,89.92 14.48,89.92 14.1,89.53 14.1,8.13 14.48,7.75 17.53,7.75 20.7,4.57 20.7,1.91 21.08,1.52 ; 3 cut-outs
VDD_3V3 on SIG_L10: 70.1,70.1 69.85,69.85 68.33,69.85 68.07,70.1 68.07,72.39 68.33,72.64 76.58,72.64 76.84,72.39 76.84,71.5 76.58,71.25 76.2,71.25 75.82,70.87 70.48,70.87 70.1,70.48
VDD_3V3_SP on BOTTOM: 80.26,61.21 80.14,61.09 80.14,58.8 80.01,58.67 76.45,58.67 76.2,58.93 76.2,61.98 76.45,62.23 76.45,66.8 76.2,67.06 75.69,67.06 75.69,67.56 76.2,67.56 76.58,67.94 78.49,67.94 79.5,68.96 80.26,68.96 80.65,69.34 80.65,70.1 83.06,70.1 83.31,69.85 83.31,67.56 82.04,66.29 82.04,61.47 81.79,61.21
VDD_CORE on PWR_L6: 72.77,43.18 72.9,43.05 79.5,43.05 79.76,43.31 79.76,44.45 79.5,44.7 73.03,44.7 72.77,44.45
VDD_CORE on SIG_L8: 67.18,44.32 67.94,43.56 69.47,43.56 70.36,44.45 70.36,48.39 70.61,48.64 78.87,48.64 81.79,51.56 81.79,57.53 81.53,57.78 79.63,57.78 79.5,57.91 79.5,74.04 79.12,74.42 75.31,74.42 73.53,72.64 59.44,72.64 57.53,74.55 56.13,74.55 55.88,74.8 55.88,77.09 56.13,77.34 59.56,77.34 60.96,75.95 72.14,75.95 73.15,76.96 84.84,76.96 85.09,76.71 85.09,49.28 80.52,44.7 80.52,43.43 80.39,43.31 79.38,43.31 79.25,43.43 79.25,43.81 78.87,44.2 77.85,44.2 73.15,39.5 73.15,38.86 73.66,38.86 73.91,38.61 73.91,37.85 74.42,37.34 74.42,33.78 74.17,33.53 62.87,33.53 62.61,33.78 62.61,44.07 62.87,44.32
VDD_DDR on TOP: 61.47,59.44 61.47,60.45 61.72,60.71 63.5,60.71 63.75,60.45 63.75,59.44 63.5,59.18 61.72,59.18
VDD_DDR on BOTTOM: 63.75,59.44 63.5,59.18 61.72,59.18 61.47,59.44 61.47,60.45 61.72,60.71 63.5,60.71 63.75,60.45
VDD_DDR on BOTTOM: 38.99,30.99 39.12,30.86 39.12,30.1 38.86,29.84 37.47,29.84 37.34,29.97 37.34,30.86 37.47,30.99
VDD_DDR on INT_L3: 61.47,47.75 61.21,47.5 61.21,46.1 61.47,45.85 63.5,45.85 63.63,45.72 63.63,44.58 63.88,44.32 66.04,44.32 66.29,44.58 66.29,46.74 66.04,46.99 65.66,46.99 64.9,47.75
VDD_DDR on PWR_L6: 53.34,22.99 53.72,23.37 55.24,23.37 55.5,23.62 55.5,34.92 55.88,35.31 62.61,35.31 62.87,35.56 62.87,43.43 64.52,45.09 64.52,48.13 61.21,51.44 55.88,51.44 55.5,51.82 55.5,61.47 54.74,62.23 36.32,62.23 32.51,58.42 32.51,16.26 32.77,16 53.09,16 53.34,16.26
VDD_DDR on PWR_L7: 32.77,16.76 46.99,16.76 52.32,22.1 52.32,24.64 62.87,35.18 62.87,58.17 63.75,59.05 63.75,60.71 63.5,60.96 60.07,60.96 59.82,60.71 59.82,54.61 59.44,54.23 55.75,54.23 55.37,54.61 55.37,57.15 50.29,62.23 36.32,62.23 32.51,58.42 32.51,17.02
VDD_DSP on PWR_L6: 68.71,44.83 68.96,45.09 71.75,45.09 72.01,44.83 72.01,42.8 72.52,42.29 80.39,42.29 80.65,42.55 80.65,44.58 80.01,45.21 80.01,59.05 79.63,59.44 78.23,59.44 77.98,59.69 77.98,84.84 78.23,85.09 84.84,85.09 85.09,84.84 85.09,61.09 86.23,59.94 86.23,24.26 85.98,24 68.96,24 68.71,24.26
VDD_DSP on SIG_L8: 56.13,80.01 84.84,80.01 85.09,79.76 85.09,77.47 84.84,77.22 73.03,77.22 72.01,76.2 61.09,76.2 59.69,77.6 56.13,77.6 55.88,77.85 55.88,79.76
VDD_DSP on GND_L9: 71.63,45.34 71.88,45.09 71.88,42.93 71.63,42.67 63.12,42.67 62.87,42.93 62.87,45.09 63.12,45.34
VDD_MPU on PWR_L6: 63.12,12.83 63.12,22.99 62.74,23.37 56.01,23.37 55.75,23.62 55.75,34.8 56.01,35.05 62.74,35.05 63.12,35.43 63.12,43.31 64.77,44.96 64.77,48.26 61.34,51.69 56.01,51.69 55.75,51.94 55.75,61.59 54.86,62.48 54.86,71.88 55.12,72.14 58.17,72.14 58.42,71.88 58.42,66.67 58.8,66.29 69.47,66.29 69.85,66.67 69.85,67.44 69.98,67.56 71.25,67.56 71.37,67.44 71.37,67.06 71.63,66.8 74.17,66.8 74.42,66.55 74.42,65.66 74.8,65.28 77.47,65.28 77.72,65.02 77.72,59.69 77.47,59.44 68.83,59.44 68.45,59.05 68.45,24.26 68.2,24 67.44,24 67.06,23.62 67.06,10.67 66.8,10.41 64.39,10.41 64.01,10.03 64.01,7.87 63.75,7.62 60.96,7.62 60.71,7.87 60.71,12.19 60.96,12.45 62.74,12.45
VDD_MPU on SIG_L8: 61.34,68.96 62.48,67.82 71.37,67.82 72.01,67.18 74.3,67.18 74.42,67.06 74.42,65.41 74.17,65.15 61.09,65.15 58.42,67.82 57.02,67.82 54.36,70.48 54.36,71.88 54.61,72.14 61.09,72.14 61.34,71.88
VDD_RTC on PWR_L7: 74.3,74.3 74.17,74.17 69.85,74.17 69.47,73.79 69.47,55.63 69.09,55.24 69.09,48.39 68.07,47.37 68.07,44.7 67.82,44.45 66.42,44.45 66.17,44.7 66.17,47.88 66.8,48.51 66.8,75.95 66.93,76.07 74.04,76.07 74.3,75.82
VDD_SD on INT_L3: 72.77,44.07 73.15,44.45 73.15,45.59 73.03,45.72 71.88,45.72 71.63,45.47 71.63,41.4 70.87,40.64 70.87,29.59 69.47,28.19 69.47,15.88 69.09,15.49 69.09,13.59 69.22,13.46 70.61,13.46 71.63,14.48 71.63,24.77 72.26,25.4 72.26,28.07 72.77,28.57
VDD_SD on PWR_L6: 64.52,7.62 64.26,7.87 64.26,9.91 64.52,10.16 66.93,10.16 67.31,10.54 67.31,23.5 67.56,23.75 85.98,23.75 86.23,23.5 86.23,7.87 85.98,7.62
VDD_SD on PWR_L7: 74.04,52.45 74.04,65.79 73.79,66.04 73.79,68.45 74.04,68.71 74.04,73.66 73.79,73.91 69.98,73.91 69.72,73.66 69.72,72.77 69.98,72.52 70.36,72.52 70.48,72.64 70.48,73.03 70.74,73.28 71.25,73.28 72.64,71.88 72.64,54.86 71.5,53.72 71.5,44.45 71.75,44.2 73.03,44.2 73.15,44.32 73.15,46.86 73.28,46.99 73.28,51.69
VDD_SHV5 on PWR_L7: 68.33,41.4 68.58,41.15 70.36,41.15 70.61,41.4 70.61,43.81 71.25,44.45 71.25,53.85 72.39,54.99 72.39,71.75 71.12,73.03 70.87,73.03 70.74,72.9 70.74,72.52 70.48,72.26 69.98,72.26 69.72,72.01 69.72,55.5 69.34,55.12 69.34,48.26 68.33,47.24
VDDA_1V8_PHYA on BOTTOM: 76.96,57.02 77.09,57.15 77.09,58.29 76.96,58.42 76.2,58.42 76.07,58.29 76.07,57.15 76.2,57.02
VDDA_1V8_PHYA on BOTTOM: 62.99,66.29 61.85,66.29 61.59,66.55 61.59,69.09 61.85,69.34 63.75,69.34 64.01,69.09 64.01,68.71 63.75,68.45 63.37,68.45 62.87,67.94 62.87,66.93 63.12,66.67 63.12,66.42
VDDA_1V8_PHYA on PWR_L6: 69.34,45.47 69.34,46.61 69.98,47.24 78.61,47.24 79.12,47.75 79.5,47.75 79.76,48.01 79.76,58.93 79.5,59.18 68.96,59.18 68.71,58.93 68.71,45.59 68.83,45.47
VDDA_1V8_PHYA on SIG_L8: 71.5,68.07 63.75,68.07 63.5,68.33 63.5,68.96 64.01,69.47 78.99,69.47 79.25,69.22 79.25,57.91 79.12,57.78 76.2,57.78 75.95,58.04 75.95,65.91 74.42,67.44 72.14,67.44
VDDA_1V8_PHYB on BOTTOM: 74.8,57.02 74.93,57.15 74.93,58.29 74.8,58.42 74.04,58.42 73.91,58.29 73.91,57.15 74.04,57.02
VDDA_1V8_PHYB on BOTTOM: 64.13,66.29 64.26,66.42 64.26,67.94 64.01,68.2 63.5,68.2 63.25,67.94 63.25,66.93 63.5,66.67 63.5,66.42 63.63,66.29
VDDA_1V8_PHYB on GND_L9: 74.93,58.04 74.8,57.91 73.79,57.91 73.03,58.67 67.06,58.67 66.8,58.93 66.8,65.02 66.55,65.28 63.5,65.28 63.25,65.53 63.25,68.2 63.5,68.45 64.13,68.45 64.39,68.2 64.39,66.55 64.64,66.29 67.82,66.29 67.94,66.17 67.94,59.82 68.2,59.56 73.91,59.56 74.93,58.55
VDDA_1V8_PLL on BOTTOM: 65.66,48.77 65.79,48.64 66.17,48.64 66.42,48.9 66.42,54.86 65.66,55.63 62.23,55.63 62.1,55.5 62.1,54.86 62.23,54.74 63.12,54.74 63.37,54.48 65.91,54.48 65.91,53.47 65.79,53.34 65.53,53.34 65.15,52.96 65.15,49.53 65.66,49.02
VSSA_OSC0 on TOP: 65.53,57.66 65.79,57.4 65.79,54.23 57.28,54.23 57.02,54.48 57.02,57.4 57.28,57.66
VSSA_OSC1 on TOP: 71.63,57.66 71.88,57.4 71.88,55.24 70.87,54.23 66.29,54.23 66.04,54.48 66.04,57.4 66.29,57.66
(no net) on TOP: 82.55,1.52 82.8,1.78 82.8,2.41 83.19,2.79 84.07,2.79 84.45,2.41 84.45,1.78 84.71,1.52 88.01,1.52 88.27,1.78 88.27,2.41 88.65,2.79 89.53,2.79 89.92,2.41 89.92,1.78 90.17,1.52 116.08,1.52 116.46,1.91 116.46,4.57 119.63,7.75 122.68,7.75 123.06,8.13 123.06,89.53 122.68,89.92 120.02,89.92 117.35,92.58 117.35,99.69 116.97,100.08 110.49,100.08 110.24,99.82 110.24,98.81 109.47,98.04 108.2,98.04 107.44,98.81 107.44,99.82 107.19,100.08 93.47,100.08 93.22,99.82 93.22,98.81 92.46,98.04 91.19,98.04 90.42,98.81 90.42,99.82 90.17,100.08 87.88,100.08 87.63,99.82 87.63,97.16 87.25,96.77 86.11,96.77 85.72,97.16 85.72,99.82 85.47,100.08 69.47,100.08 69.22,99.82 69.22,97.28 68.71,96.77 67.82,96.77 66.93,97.66 65.15,97.66 64.64,98.17 64.64,99.82 64.39,100.08 51.18,100.08 50.93,99.82 50.93,98.17 50.42,97.66 49.4,97.66 48.89,98.17 48.89,99.82 48.64,100.08 20.19,100.08 19.81,99.69 19.81,92.58 17.14,89.92 14.48,89.92 14.1,89.53 14.1,8.13 14.48,7.75 17.53,7.75 20.7,4.57 20.7,1.91 21.08,1.52 ; 80 cut-outs
DDR_REFIN on TOP: 29.97,17.65 29.97,19.94 30.1,20.07 30.61,20.07 30.73,19.94 30.73,18.92 30.86,18.8 31.24,18.8 31.37,18.67 31.37,18.41 31.24,18.29 30.48,18.29 30.35,18.16 30.35,17.65 30.23,17.53 30.1,17.53
DDR_VREFSTL1 on BOTTOM: 38.61,53.39 39.12,53.9 39.12,54.99 38.99,55.12 38.1,55.12 37.85,54.86 37.9,54.86 38.1,54.66 38.1,53.52 38.23,53.39
DDR_VREFSTL1 on SIG_L5: 38.1,42.34 38.35,42.09 38.86,42.09 39.12,42.34 39.12,43.94 38.99,44.07 37.97,44.07 37.85,43.94 37.85,43.81 38.1,43.56
DDR_VREFSTL1 on SIG_L5: 58.8,45.09 64.26,45.09 64.52,45.34 64.52,45.85 64.26,46.1 58.8,46.1 58.42,45.72 58.42,45.47
DDR_VREFSTL2 on BOTTOM: 38.73,31.11 39.12,31.5 39.12,32.51 38.99,32.64 37.97,32.64 37.85,32.51 38.1,32.26 38.1,31.24 38.23,31.11
DDR_VREFSTL2 on BOTTOM: 60.45,39.37 60.45,40.13 60.33,40.26 60.33,40.89 60.45,41.02 60.58,41.02 60.71,40.89 60.71,40.64 60.83,40.51 61.21,40.51 61.47,40.26 61.47,39.37 61.09,38.99 60.83,38.99
